# Allegro board buddy_lay_rev1.brd (continued)
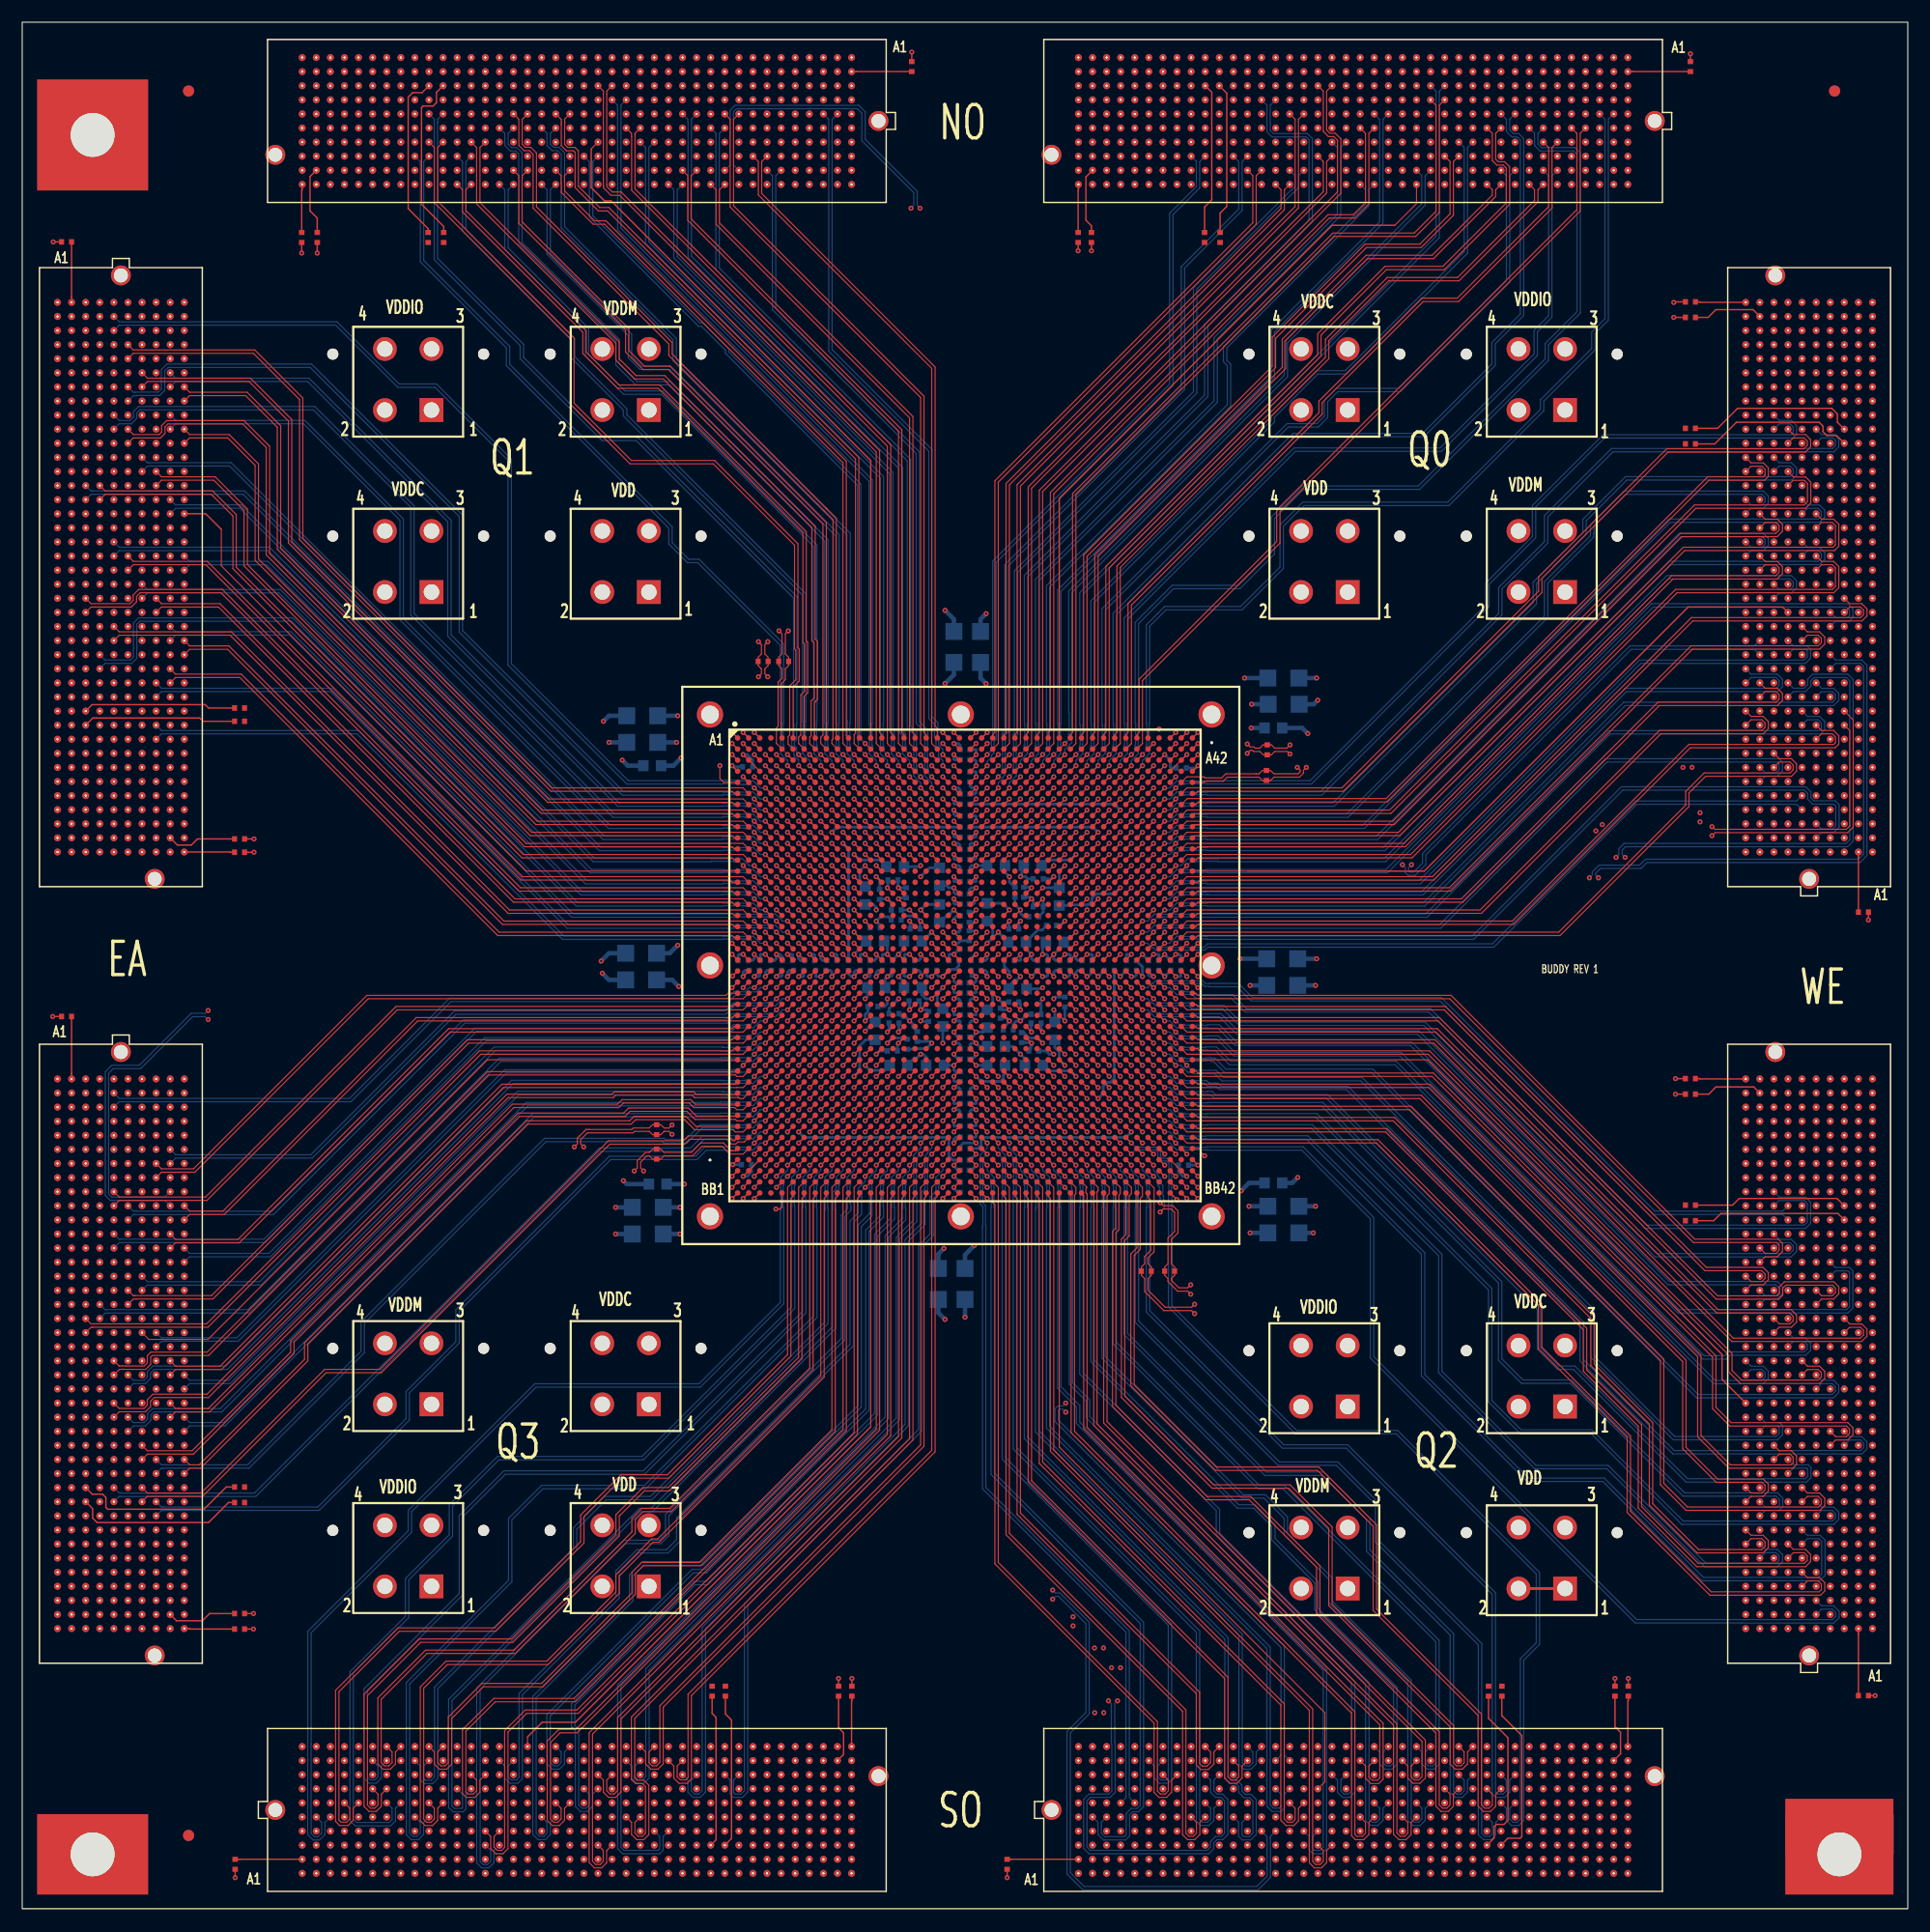
[diagram p0: board, top side]
## Routing (per net, layer and track width the routed paths; a pad name or vN(x,y) marks a point on that pad's centre or on a via; arc(x,y) is an arc through that point) (continued)
EA_P71: length 62.7
  TOP w0.127: U1.AD7 v1(70,82)
  SIGNAL_L12 w0.081: v1(70,82) 69.67,81.67 69.23,81.67 69.2,81.63 69.16,81.63 69.15,81.63 64.7,81.63 64.66,81.67 40.39,81.67 25.41,66.68 15.08,66.68 J7.K7
EA_P72: length 75.5
  TOP w0.127: U1.AD9 v1(72,82)
  SIGNAL_L3 w0.081: 5.72,63.34 6.18,62.89 9.72,62.89 10.02,63.18 10.02,63.67 10.48,64.13 15.33,64.13 32.88,81.68 64.57,81.68 64.62,81.63 65.15,81.63 65.16,81.64 65.84,81.64 65.85,81.63 66.15,81.63 66.16,81.64 66.84,81.64 66.85,81.63 67.15,81.63 67.16,81.64 67.84,81.64 67.85,81.63 68.15,81.63 68.16,81.64 68.84,81.64 68.85,81.63 69.15,81.63 69.16,81.64 69.84,81.64 69.85,81.63 70.15,81.63 70.16,81.64 70.84,81.64 70.85,81.63 71.15,81.63 71.16,81.64 71.18,81.64 71.21,81.67 71.67,81.67 v1(72,82)
EA_P73: length 89.2
  TOP w0.127: U1.AD11 v1(74,82)
  SIGNAL_L3 w0.081: v1(74,82) 74.33,82.33 74.33,82.54 74.37,82.58 74.37,83.15 74.15,83.37 63.38,83.37 63.35,83.33 62.8,83.33 62.54,83.07 61.16,83.07 60.76,83.47 8.99,83.47 5.27,79.75 5.27,65.69 5.54,65.43 6.65,65.43 J7.D8
EA_P74: length 63.6
  TOP w0.102: U1.AE1 64.2,81.5 64,81.3 33.7,81.3 16.53,64.13 8.75,64.13 8.27,64.61
EA_P75: length 66.9
  TOP w0.127: U1.AE5 v1(68,81)
  BOTTOM w0.102: v1(68,81) 67.68,80.68 67.22,80.68 67.16,80.62 64.51,80.62 64.48,80.65 64,80.65 63.45,80.1 39.77,80.1 22.52,62.85 10.3,62.85 10.29,62.86 10.02,62.86 J7.F10
EA_P76: length 67.1
  TOP w0.127: U1.AE7 v1(70,81)
  SIGNAL_L12 w0.081: v1(70,81) 69.67,80.67 69.23,80.67 69.2,80.63 69.16,80.63 69.15,80.63 64.7,80.63 64.66,80.67 41.32,80.67 24.8,64.14 11.27,64.14 10.8,64.61
EA_P77: length 68.4
  TOP w0.127: U1.AE9 v1(72,81)
  SIGNAL_L3 w0.081: v1(72,81) 71.67,80.67 71.36,80.67 71.31,80.63 69.15,80.63 69.15,80.63 68.53,80.63 68.53,80.63 64.54,80.63 64.5,80.68 33.56,80.68 15.75,62.86 12.81,62.86 12.8,62.87 12.54,62.87 J7.H10
EA_P78: length 88.1
  TOP w0.127: U1.AE11 v1(74,81)
  SIGNAL_L3 w0.081: v1(74,81) 73.61,81 73.24,81.37 73.24,81.72 73.37,81.85 73.37,82.26 73.26,82.37 63.23,82.37 63.19,82.34 21,82.34 19.04,80.37 17.01,80.37 v1(16.76,80.13)
  BOTTOM w0.102: 13.35,64.61 12.86,64.13 8.07,64.13 7.8,64.4 7.8,75.3 8.2,75.7 10.68,75.7 15.36,80.38 16.51,80.38 v1(16.76,80.13)
EA_P79: length 57.4
  TOP w0.102: U1.AF1 64.2,80.5 64,80.3 35.53,80.3 18.09,62.86 15.1,62.86 J7.K10
EA_P80: length 66.8
  TOP w0.127: U1.AF3 v1(66,80)
  BOTTOM w0.102: v1(66,80) 65.68,79.68 65.22,79.68 65.16,79.62 64.63,79.62 64.6,79.65 64.12,79.65 63.82,79.35 40.82,79.35 21.8,60.34 8.91,60.34 8.89,60.32 8.75,60.32 J7.E12
EA_P81: length 70.1
  TOP w0.127: U1.AF7 v1(70,80)
  SIGNAL_L12 w0.081: v1(70,80) 69.67,79.67 69.23,79.67 69.2,79.63 69.16,79.63 69.15,79.63 64.7,79.63 64.66,79.67 43.17,79.67 22.57,59.06 10,59.06 J7.F13
EA_P82: length 70.3
  TOP w0.127: U1.AF9 v1(72,80)
  SIGNAL_L3 w0.081: v1(72,80) 71.66,79.66 71.22,79.66 71.19,79.63 64.62,79.63 64.58,79.66 35.01,79.66 15.67,60.32 11.54,60.32 11.53,60.33 11.27,60.33 J7.G12
EA_P83: length 71.5
  TOP w0.127: U1.AF11 v1(74,80)
  SIGNAL_L5 w0.081: v1(74,80) 73.7,79.7 73.54,79.7 73.51,79.66 73.19,79.66 73.15,79.63 64.56,79.63 64.52,79.67 38.37,79.67 17.76,59.06 12.54,59.06 J7.H13
EA_P84: length 59.3
  TOP w0.102: J7.J12 13.84,60.31 19.45,60.31 38.44,79.3 64,79.3 64.2,79.5 U1.AG1
EA_P85: length 60.6
  TOP w0.127: U1.AG3 v1(66,79)
  BOTTOM w0.102: J7.K13 15.1,59.05 22.25,59.05 41.7,78.5 63.67,78.5 63.79,78.62 65.39,78.62 65.45,78.68 65.68,78.68 v1(66,79)
EA_P86: length 74
  TOP w0.127: U1.AG7 v1(70,79)
  SIGNAL_L12 w0.081: v1(70,79) 69.67,78.67 69.23,78.67 69.2,78.63 69.16,78.63 69.15,78.63 64.7,78.63 64.66,78.67 43.78,78.67 22.92,57.81 6.18,57.81 5.72,58.26
EA_P87: length 74.8
  TOP w0.127: U1.AG9 v1(72,79)
  SIGNAL_L3 w0.081: v1(72,79) 71.66,78.66 71.22,78.66 71.19,78.63 64.79,78.63 64.72,78.7 36.98,78.7 16.08,57.8 7.59,57.8 7.58,57.79 7.46,57.79 J7.D14
EA_P88: length 76
  TOP w0.127: U1.AG11 v1(74,79)
  SIGNAL_L10 w0.081: v1(74,79) 73.7,78.7 73.48,78.7 73.41,78.63 64.66,78.63 64.62,78.66 39.96,78.66 17.81,56.51 9,56.51 8.99,56.52 8.73,56.52 J7.E15
EA_P89: length 64.8
  TOP w0.102: U1.AH1 64.2,78.5 64,78.3 40.12,78.3 17.07,55.25 10.17,55.25 10.16,55.24 10.02,55.24 J7.F16
EA_P90: length 65
  TOP w0.127: U1.AH3 v1(66,78)
  BOTTOM w0.102: v1(66,78) 65.68,77.68 65.22,77.68 65.16,77.62 63.29,77.62 63.17,77.62 63.13,77.65 42.55,77.65 21.4,56.5 11.3,56.5 J7.G15
EA_P91: length 66.3
  TOP w0.127: U1.AH5 v1(68,78)
  SIGNAL_L12 w0.081: v1(68,78) 67.67,77.67 67.23,77.67 67.2,77.63 67.16,77.63 67.15,77.63 62.7,77.63 62.66,77.67 44.39,77.67 21.98,55.25 12.8,55.25 12.8,55.25 12.54,55.25 J7.H16
EA_P92: length 68.5
  TOP w0.127: U1.AH9 v1(72,78)
  SIGNAL_L3 w0.081: J7.J15 13.81,56.52 16.62,56.52 37.76,77.66 64.5,77.66 64.54,77.63 71.19,77.63 71.22,77.66 71.66,77.66 v1(72,78)
EA_P93: length 69.7
  TOP w0.127: U1.AH11 v1(74,78)
  SIGNAL_L5 w0.081: J7.K16 15.08,55.25 17.85,55.25 40.27,77.67 64.52,77.67 64.56,77.63 73.15,77.63 73.19,77.66 73.51,77.66 73.54,77.7 73.7,77.7 v1(74,78)
EA_P94: length 69.2
  TOP w0.102: U1.AJ1 64.2,77.5 64,77.3 41.22,77.3 16.62,52.7 6.48,52.7 6.48,52.7 6.21,52.7 5.72,53.18
EA_P95: length 69.5
  TOP w0.127: U1.AJ3 v1(66,77)
  BOTTOM w0.102: v1(66,77) 65.68,76.68 65.64,76.68 65.64,76.69 65.48,76.69 65.42,76.75 65.35,76.69 63.42,76.69 63.04,76.69 63.01,76.65 43.02,76.65 20.35,53.99 7.64,53.99 7.62,53.97 7.48,53.97 J7.D17
EA_P96: length 71.1
  TOP w0.127: U1.AJ5 v1(68,77)
  SIGNAL_L12 w0.081: J7.E18 8.75,52.7 9.21,52.7 9.21,52.7 9.7,52.7 9.99,52.99 9.99,53.49 10.5,54 22.05,54 44.72,76.67 62.52,76.67 62.56,76.7 64.77,76.7 64.85,76.63 67.15,76.63 67.16,76.63 67.2,76.63 67.23,76.67 67.67,76.67 v1(68,77)
EA_P97: length 75.3
  TOP w0.127: U1.AJ10 v1(73,77)
  SIGNAL_L3 w0.081: v1(73,77) 72.66,76.66 72.22,76.66 72.19,76.63 64.43,76.63 64.41,76.64 64.38,76.64 64.34,76.61 64.23,76.61 64.18,76.66 39.19,76.66 15.23,52.7 13.02,52.7 12.56,52.24 12.56,51.75 12.25,51.44 10,51.44 J7.F19
EA_P98: length 75.3
  TOP w0.127: U1.AJ12 v1(75,77)
  SIGNAL_L10 w0.081: v1(75,77) 74.52,77 74.02,76.5 59.5,76.5
  SIGNAL_L10 w0.083: J7.G18 11.44,52.55 16.2,52.55 40.15,76.5 59.5,76.5
EA_P99: length 64
  TOP w0.102: U1.AK2 v1(65,76)
  BOTTOM w0.102: J7.H19 12.56,51.43 12.7,51.43 12.72,51.45 13.15,51.45 13.15,51.45 13.54,51.45 13.54,51.45 14.42,51.45 14.42,51.45 19.35,51.45 43.5,75.6 64.6,75.6 v1(65,76)
EA_P100: length 64.2
  TOP w0.127: U1.AK4 v1(67,76)
  SIGNAL_L12 w0.081: J7.J18 13.83,52.7 22.05,52.7 45.01,75.66 64.37,75.66 64.41,75.63 66.27,75.63 66.31,75.67 66.67,75.67 v1(67,76)
EA_P101: length 65.5
  TOP w0.127: U1.AK6 v1(69,76)
  SIGNAL_L3 w0.081: J7.K19 15.08,51.44 16.24,51.44 38.32,73.52 40.46,75.66 61.57,75.66 61.61,75.63 68.19,75.63 68.22,75.66 68.66,75.66 v1(69,76)
EA_P102: length 78
  TOP w0.127: U1.AK8 v1(71,76)
  SIGNAL_L10 w0.081: 5.72,48.1 6.19,47.63 15.43,47.63 43.46,75.66 64.57,75.66 64.61,75.63 70.63,75.63 v1(71,76)
EA_P103: length 78.6
  TOP w0.127: U1.AK11 v1(74,76)
  SIGNAL_L5 w0.081: J7.D20 7.46,50.17 18.56,50.17 44.05,75.67 64.52,75.67 64.56,75.63 73.15,75.63 73.19,75.66 73.51,75.66 73.54,75.7 73.7,75.7 v1(74,76)
EA_P104: length 67.8
  TOP w0.102: U1.AL1 64.43,75.43 41.95,75.43 16.67,50.15 11.6,50.15 11.28,49.84 11.28,49.19 11,48.91 9.34,48.91 9.33,48.91 8.99,48.91 8.75,48.9 8.74,48.9 J7.E21
EA_P105: length 69.1
  TOP w0.127: U1.AL3 v1(66,75)
  BOTTOM w0.102: v1(66,75) 65.68,74.68 65.22,74.68 65.16,74.62 63.17,74.62 63.14,74.65 63.11,74.62 62.96,74.62 62.93,74.65 44.12,74.65 18.37,48.9 11.78,48.9 11.27,48.4 11.27,47.91 10.98,47.62 10.02,47.62 J7.F22
EA_P106: length 68.9
  TOP w0.127: U1.AL5 v1(68,75)
  SIGNAL_L12 w0.081: v1(68,75) 67.67,74.67 67.23,74.67 67.2,74.63 67.16,74.63 67.15,74.63 62.8,74.63 62.76,74.67 45.5,74.67 19.73,48.9 11.53,48.9 11.53,48.9 11.27,48.9 J7.G21
EA_P107: length 70.2
  TOP w0.127: U1.AL7 v1(70,75)
  SIGNAL_L3 w0.081: v1(70,75) 69.66,74.66 69.22,74.66 69.19,74.63 62.58,74.63 62.55,74.66 62.49,74.61 62.38,74.61 62.32,74.66 42.6,74.66 15.56,47.63 12.55,47.63 J7.H22
EA_P108: length 62
  TOP w0.102: J7.J21 13.83,48.89 17.84,48.89 43.25,74.3 64.3,74.3 U1.AM1
EA_P109: length 63.2
  TOP w0.127: U1.AM3 v1(66,74)
  BOTTOM w0.102: J7.K22 15.1,47.62 18.62,47.62 44.65,73.65 63.13,73.65 63.17,73.62 65.16,73.62 65.22,73.68 65.68,73.68 v1(66,74)
EA_P110: length 78.1
  TOP w0.127: U1.AM5 v1(68,74)
  SIGNAL_L12 w0.081: 5.72,43.02 6.19,42.55 9.74,42.55 10.02,42.83 10.02,45.89 10.48,46.35 18.69,46.35 46,73.67 59.66,73.67 59.73,73.59 62.55,73.59 62.59,73.63 67.15,73.63 67.16,73.63 67.2,73.63 67.23,73.67 67.67,73.67 v1(68,74)
EA_P111: length 78.9
  TOP w0.127: U1.AM7 v1(70,74)
  SIGNAL_L3 w0.081: v1(70,74) 69.66,73.66 69.22,73.66 69.19,73.63 62.58,73.63 62.54,73.66 43.4,73.66 22.9,53.17 22.9,51.62 16.37,45.08 10.48,45.08 10.02,44.62 10.02,42.86 9.71,42.55 7.46,42.55 J7.D26
EA_P112: length 68.7
  TOP w0.102: J7.E24 8.75,45.08 10.98,45.08 11.27,45.37 11.27,45.86 11.78,46.37 16.67,46.37 43.7,73.4 53.17,73.4 53.37,73.6 60.54,73.6 60.74,73.4 64.4,73.4 U1.AN1
EA_P113: length 69.8
  TOP w0.127: U1.AN3 v1(66,73)
  BOTTOM w0.102: v1(66,73) 65.68,72.68 65.58,72.68 65.57,72.69 63.35,72.69 62.97,72.69 62.94,72.65 45.45,72.65 17.87,45.07 11.75,45.07 11.3,44.61 11.3,44.13 10.98,43.81 10.02,43.81 J7.F25
EA_P114: length 69.8
  TOP w0.127: U1.AN5 v1(68,73)
  SIGNAL_L12 w0.081: v1(68,73) 67.67,72.67 67.23,72.67 67.2,72.63 67.16,72.63 67.15,72.63 62.7,72.63 62.66,72.67 46.8,72.67 44.67,70.54 44.67,70.29 19.48,45.09 11.27,45.09 J7.G24
EA_P115: length 74
  TOP w0.127: U1.AN7 v1(70,73)
  SIGNAL_L3 w0.081: J7.H25 12.54,43.82 20.36,43.82 23.75,47.22 23.75,52.49 43.93,72.66 62.54,72.66 62.58,72.63 69.19,72.63 69.22,72.66 69.66,72.66 v1(70,73)
EA_P116: length 63.1
  TOP w0.102: J7.J24 13.83,45.08 14.1,45.08 14.1,45.07 16.78,45.07 44.2,72.5 53.67,72.5 54.07,72.9 60.27,72.9 60.68,72.5 U1.AP1
EA_P117: length 64
  TOP w0.127: U1.AP3 v1(66,72)
  BOTTOM w0.102: J7.K25 15.1,43.81 18.18,43.81 46.02,71.65 62.94,71.65 62.97,71.69 63.35,71.69 65.57,71.69 65.58,71.68 65.68,71.68 v1(66,72)
EA_P118: length 77.3
  TOP w0.127: U1.AP5 v1(68,72)
  SIGNAL_L3 w0.081: v1(68,72) 67.66,71.66 67.22,71.66 67.19,71.63 60.46,71.63 60.42,71.66 44.05,71.66 24.9,52.52 24.9,46.62 20.85,42.57 12.8,42.57 12.53,42.3 12.53,41.56 12.26,41.3 8.86,41.3 8.85,41.28 8.73,41.28 J7.E27
EA_P119: length 77.4
  TOP w0.127: U1.AP7 v1(70,72)
  SIGNAL_L12 w0.081: J7.F28 10,40.01 21.45,40.01 30.52,49.09 30.52,53.79 48.4,71.67 64.61,71.67 64.65,71.63 69.15,71.63 69.16,71.63 69.2,71.63 69.23,71.67 69.67,71.67 v1(70,72)
EA_P120: length 67.6
  TOP w0.102: U1.AR1 64.43,71.43 60.78,71.43 60.06,72.15 54.67,72.15 54.22,71.7 44.72,71.7 24.2,51.18 24.2,50.15 15.32,41.27 11.29,41.27 J7.G27
EA_P121: length 69.4
  TOP w0.127: U1.AR3 v1(66,71)
  BOTTOM w0.102: J7.H28 12.56,40 12.83,40 12.83,40 20.32,40 30.55,50.23 30.55,52.88 47.09,69.42 57.87,69.42 57.99,69.3 59.81,69.3 61.16,70.65 64.62,70.65 64.65,70.62 65.16,70.62 65.21,70.67 65.67,70.67 v1(66,71)
EA_P122: length 71.3
  TOP w0.127: U1.AR5 v1(68,71)
  SIGNAL_L3 w0.081: J7.J27 13.81,41.28 21.17,41.28 25.85,45.97 25.85,51.72 43.48,69.35 58.7,69.35 60.01,70.66 60.57,70.66 60.61,70.63 67.19,70.63 67.22,70.66 67.66,70.66 v1(68,71)
EA_P123: length 64.3
  TOP w0.102: J7.K28 15.1,40 15.95,40 25.45,49.5 25.45,50.98 45.47,71 54.77,71 55.17,71.4 59.85,71.4 60.75,70.5 U1.AT1
EA_P124: length 72.2
  TOP w0.127: U1.AT3 v1(66,70)
  BOTTOM w0.102: v1(66,70) 65.68,69.68 65.54,69.68 65.48,69.68 65.42,69.62 65.4,69.62 64.47,69.62 64.43,69.65 61.35,69.65 60.25,68.55 52.03,68.55 20.93,37.45 9.03,37.45 9.02,37.46 8.75,37.46 J7.E30
EA_P125: length 76.4
  TOP w0.127: U1.AT5 v1(68,70)
  SIGNAL_L3 w0.081: J7.F31 10,36.2 10.26,36.2 10.27,36.19 19.53,36.19 30.32,46.99 30.32,52.04 45.68,67.4 57.95,67.4 60.21,69.66 60.54,69.66 60.58,69.63 67.19,69.63 67.22,69.66 67.66,69.66 v1(68,70)
EA_P126: length 67.5
  TOP w0.102: J7.G30 11.29,37.46 16.13,37.46 27.27,48.6 32.25,48.6 52.85,69.2 59.6,69.2 60.04,69.64 63.64,69.64 64.07,69.21 64.21,69.21 U1.AU1
EA_P127: length 71.6
  TOP w0.127: U1.AU3 v1(66,69)
  BOTTOM w0.102: J7.H31 12.56,36.19 12.7,36.19 12.71,36.2 26.65,36.2 34.6,44.15 34.6,46.6 39.1,51.1 39.1,53.98 52.93,67.81 60.71,67.81 61.55,68.65 64.56,68.65 64.59,68.62 65.29,68.62 65.33,68.65 65.65,68.65 v1(66,69)
EA_VADJ0: length 9.4
  TOP w0.127: R88.2 v1(20.9,95.2) ; R103.2 v1(20.9,96.4)
  PWR_L7 w0.254: 12.07,94.75 J8.H40 ; J8.H40 12.07,95.7 ; J8.H40 12.55,95.23 ; J8.H40 11.6,95.23 ; 10.33,96.5 J8.G39 ; J8.G39 10.8,96.02 ; J8.G39 11.28,96.5 ; J8.G39 10.8,96.97 ; J8.E39 8.27,96.97 ; J8.E39 7.79,96.5 ; J8.E39 8.27,96.02 ; J8.E39 8.74,96.5 ; 9.54,95.23 10.01,95.23 ; 9.54,95.23 9.54,94.75 ; 9.54,95.23 9.06,95.23 ; 9.54,95.23 9.54,95.7
EA_VADJ1: length 9.3
  TOP w0.127: R105.2 v1(20.85,26.6) ; R106.2 v1(20.85,25.2)
  PWR_L7 w0.254: J7.E39 8.27,26.99 ; J7.E39 7.79,26.51 ; J7.E39 8.27,26.04 ; J7.E39 8.74,26.51 ; 11.6,25.24 J7.H40 ; J7.H40 12.07,24.77 ; J7.H40 12.55,25.24 ; J7.H40 12.07,25.72 ; 10.33,26.51 J7.G39 ; J7.G39 11.28,26.51 ; J7.G39 10.8,26.04 ; J7.G39 10.8,26.99 ; 9.54,25.24 10.01,25.24 ; 9.54,25.24 9.54,24.77 ; 9.54,25.24 9.06,25.24 ; 9.54,25.24 9.54,25.72
N9431327_EA: length 6.3
  TOP w0.127: J8.J39 13.99,95.85 15.25,95.85 15.8,96.4 R103.1
N9431327_EA1: length 6.3
  TOP w0.127: J7.J39 13.91,25.95 16.25,25.95 16.9,26.6 R105.1
N9431327_EA2: length 6.2
  TOP w0.127: J6.J39 74.05,13.89 74.05,15.85 73.6,16.3 R120.1
N9431327_EA3: length 6.3
  TOP w0.127: J5.J39 144.1,13.96 144.1,15.9 143.6,16.4 R125.1
N9431327_EA4: length 6.3
  TOP w0.127: R135.1 152.05,73.4 152.7,74.05 156.11,74.05 J4.J39
N9431327_EA5: length 6.3
  TOP w0.127: R130.1 152,143.4 152.7,144.1 156.04,144.1 J3.J39
N9431327_EA6: length 6.1
  TOP w0.127: R115.1 96.4,151.65 95.9,152.15 95.9,156.06 J2.J39
N9431327_EA7: length 6.1
  TOP w0.127: J1.J39 25.95,156.09 25.95,153 26.6,152.35 R110.1
N9447658_EA: length 4.5
  TOP w0.127: R88.1 18.76,95.2 18.73,95.23 14.62,95.23
N9447658_EA1: length 4.6
  TOP w0.127: 14.62,25.24 15.1,25.24 15.14,25.2 R106.1
N9447658_EA2: length 4.5
  TOP w0.127: 74.77,14.62 74.77,18.73 74.8,18.76 R121.1
N9447658_EA3: length 4.6
  TOP w0.127: R126.1 144.8,18.76 144.76,18.71 144.76,14.62
N9447658_EA4: length 4.5
  TOP w0.127: J4.K40 151.27,74.77 151.24,74.8 R136.1
N9447658_EA5: length 4.6
  TOP w0.127: J3.K40 151.29,144.76 151.24,144.8 R131.1
N9447658_EA6: length 4.3
  TOP w0.127: R116.1 95.2,154.88 95.23,154.9 J2.K40
N9447658_EA7: length 4.4
  TOP w0.127: J1.K40 25.24,154.9 25.2,154.86 R111.1
N9469065_EA: length 5.4
  TOP w0.127: R102.1 4.45,145.24 4.46,145.24 J8.B1
N9469065_EA1: length 5.6
  TOP w0.127: R104.1 4.45,75.26 4.46,75.26 J7.B1
N9469065_EA2: length 6
  TOP w0.127: J6.B1 19.62,4.46 19.61,4.45 R119.1
N9469065_EA3: length 6.4
  TOP w0.127: J5.B1 89.22,4.46 89.21,4.45 R124.1
N9469065_EA4: length 6
  TOP w0.127: R134.1 165.55,24.76 165.54,24.76 J4.B1
N9469065_EA5: length 5.4
  TOP w0.127: J3.B1 165.54,94.74 165.55,94.74 R129.1
N9469065_EA6: length 5.6
  TOP w0.127: R114.1 145.24,165.55 145.24,165.54 J2.B1
N9469065_EA7: length 5.4
  TOP w0.127: J1.B1 75.26,165.54 75.26,165.55 R109.1
N9472109_EA: length 13.8
  TOP w0.127: 5.72,107.93 6.3,108.5 16.5,108.5 16.8,108.2 R101.1
N9472109_EA1: length 15.6
  TOP w0.127: 5.72,37.94 6.32,37.35 7.25,37.35 7.55,37.05 7.55,36.15 7.7,36 16.4,36 18.4,38 R107.1
N9472109_EA2: length 13.8
  TOP w0.127: R122.1 62.2,17.6 62.56,17.24 62.56,6.21 J6.C30
N9472109_EA3: length 15.3
  TOP w0.127: J5.C30 132.7,6.37 132.7,7.4 132.9,7.6 133.6,7.6 133.95,7.95 133.95,15.4 132.2,17.15 R127.1
N9472109_EA4: length 13.9
  TOP w0.127: R137.1 152.5,62 153.15,62.65 163.7,62.65 J4.C30
N9472109_EA5: length 15.3
  TOP w0.127: J3.C30 163.58,132.75 162.7,132.75 162.35,133.1 162.35,133.6 162,133.95 154.55,133.95 152.6,132 R132.1
N9472109_EA6: length 13.8
  TOP w0.127: J2.C30 108.6,163.6 108.6,153.4 108,152.8 R117.1
N9472109_EA7: length 15.4
  TOP w0.127: R112.1 38,151.6 36,153.6 36,162.3 36.15,162.45 37.05,162.45 37.35,162.75 37.35,163.68 J1.C30
N9472251_EA: length 13.8
  TOP w0.127: 5.72,106.66 6.37,107.3 16,107.3 16.3,107 R90.1
N9472251_EA1: length 15.4
  TOP w0.127: R108.1 18.6,36.6 16.8,34.8 6.75,34.8 6.35,35.2 6.35,36.05 5.72,36.67
N9472251_EA2: length 13.9
  TOP w0.127: R123.1 63.4,17.55 63.95,17 63.95,6.33 J6.C31
N9472251_EA3: length 15.6
  TOP w0.127: R128.1 133.4,17.4 135.2,15.6 135.2,6.5 135.05,6.35 133.95,6.35 J5.C31
N9472251_EA4: length 13.9
  TOP w0.127: R138.1 154.2,63.4 154.8,64 163.62,64 J4.C31
N9472251_EA5: length 15.4
  TOP w0.127: J3.C31 163.65,133.95 163.65,134.7 163.15,135.2 154.65,135.2 152.85,133.4 R133.1
N9472251_EA6: length 13.7
  TOP w0.127: R118.1 106.6,153.35 107.25,154 107.25,163.68 J2.C31
N9472251_EA7: length 15.2
  TOP w0.127: J1.C31 36.05,163.65 35.2,163.65 34.8,163.25 34.8,153.2 36.6,151.4 R113.1
NO_3P3V: length 16.9
  TOP w0.127: R114.2 v1(150.4,167.15) ; R109.2 v1(80.2,167.3)
  PWR_L8 w0.254: 99.83,163 J2.D36 ; J2.D36 100.78,163 ; J2.D36 100.31,163.48 ; J2.D36 100.31,162.53 ; 25.24,162.53 J1.D40 ; J1.D40 25.72,163 ; J1.D40 24.77,163 ; J1.D40 25.24,163.48 ; J1.C39 26.99,164.28 ; J1.C39 26.04,164.28 ; J1.C39 26.51,163.8 ; J1.C39 26.51,164.75 ; 95.23,162.53 J2.D40 ; J2.D40 94.75,163 ; J2.D40 95.7,163 ; J2.D40 95.23,163.48 ; J2.D38 97.77,163.48 ; J2.D38 97.29,163 ; J2.D38 98.24,163 ; J2.D38 97.77,162.53 ; 27.78,162.53 J1.D38 ; J1.D38 27.31,163 ; J1.D38 27.78,163.48 ; J1.D38 28.26,163 ; J2.C39 96.5,164.75 ; J2.C39 96.02,164.28 ; J2.C39 96.5,163.8 ; J2.C39 96.97,164.28 ; J1.D36 30.8,163 ; J1.D36 29.85,163 ; J1.D36 30.32,163.48 ; J1.D36 30.32,162.53
NO_12P0V: length 7.7
  PWR_L7 w0.254: 101.1,164.28 J2.C35 ; J2.C35 102.05,164.28 ; J2.C35 101.58,164.75 ; J2.C35 101.58,163.8 ; 28.58,164.28 J1.C37 ; J1.C37 29.53,164.28 ; J1.C37 29.05,164.75 ; J1.C37 29.05,163.8 ; J1.C35 31.59,164.75 ; J1.C35 32.07,164.28 ; J1.C35 31.59,163.8 ; J1.C35 31.12,164.28 ; J2.C37 99.51,164.28 ; J2.C37 99.04,163.8 ; J2.C37 99.04,164.75 ; J2.C37 98.56,164.28
NO_CTRL0: length 185.3
  TOP w0.127: U1.D38 v1(102,103)
  SIGNAL_L5 w0.081: 101.95,110.5 101.95,108.85 100.45,107.35 100.45,103.9 100.85,103.5 101.5,103.5 v1(102,103)
  SIGNAL_L5 w0.083: J1.J30 37.3,157.3 37.3,166.9 37.67,167.27 76.13,167.27 76.53,166.87 84.77,166.87 85.17,167.27 127.17,167.27 127.48,166.96 127.48,134.93 125.35,132.8 113.2,132.8 101.95,121.55 101.95,110.5
NO_CTRL1: length 187.6
  TOP w0.127: U1.C38 v1(102,104)
  SIGNAL_L5 w0.081: v1(102,104) 101.53,104.47 101.53,107.67 102.95,109.1 102.95,110.5
  SIGNAL_L5 w0.083: 102.95,110.5 102.95,121.81 113.34,132.2 125.65,132.2 127.94,134.49 127.94,153.64 128.8,154.5 128.8,166.91 127.97,167.74 36.84,167.74 36,166.9 36,156.06 J1.K31
NO_CTRL2: length 183.7
  TOP w0.127: U1.B38 v1(102,105)
  SIGNAL_L5 w0.081: 103.9,110.5 103.9,109.3 102,107.4 v1(102,105)
  SIGNAL_L5 w0.083: 103.9,110.5 103.9,122.1 110.3,128.5 123.1,128.5 128.4,133.8 128.4,134.29 128.4,134.3 128.4,151.95 130.15,153.7 130.15,166.97 128.92,168.2 36.14,168.2 34.85,166.91 34.85,162.45 34.13,161.74
NO_CTRL3: length 188.5
  TOP w0.102: U1.A38 101.5,106.15 101.65,106.3 v1(102.5,106.3)
  SIGNAL_L5 w0.081: 104.36,110.5 104.36,108.16 v1(102.5,106.3)
  SIGNAL_L5 w0.083: 104.36,110.5 104.36,111.61 104.45,111.7 104.45,121.9 110.4,127.85 123.3,127.85 132.05,136.6 132.05,142.39 131.46,142.98 131.46,166.79 129.59,168.66 35.11,168.66 33.55,167.1 33.55,161.15 J1.F34
NO_HS_C2M_N0: length 100
  TOP w0.102: v1(69.07,115.15) 68.8,114.88 68.8,113.07 69.1,112.77 R93.1 69.1,112.03 68.8,111.73 68.8,110.75 68.45,110.4 68.45,105.55 U1.A5
  SIGNAL_L10 w0.081: v1(69.07,115.15) 68.82,115.4 68.82,128.7 58.78,138.74 58.78,140.74 46.35,153.16 46.35,164.44 46.64,164.73 58.45,164.73 58.72,164.46 58.72,163.95 59.21,163.46 70,163.46 70.48,163.95 70.48,165.71 70.79,166.02 72.41,166.02 72.69,165.73 72.69,164.73 J1.C3
NO_HS_C2M_P0: length 102.4
  TOP w0.102: v1(68.23,115.15) 68.5,114.88 68.5,113.07 68.2,112.77 R93.2 68.2,112.03 68.5,111.73 68.5,110.88 68.15,110.53 68.15,106.55 68,106.4 68,105 U1.B5
  SIGNAL_L10 w0.081: v1(68.23,115.15) 68.48,115.4 68.48,128.57 58.45,138.6 58.45,140.6 46.02,153.03 46.02,164.58 46.51,165.06 58.59,165.06 59.05,164.6 59.05,164.09 59.34,163.79 69.86,163.79 70.15,164.09 70.15,165.85 70.65,166.35 72.54,166.35 73.02,165.87 73.02,164.76 J1.C2
NO_HS_M2C_N0: length 102
  TOP w0.102: v1(67.22,111.02) 66.95,111.28 66.95,111.59 66.95,111.73 67.25,112.03 R94.1 67.25,112.77 66.95,113.07 66.95,113.9 v1(67.22,114.17)
  TOP w0.127: U1.C5 v1(68,104)
  SIGNAL_L10 w0.081: v1(68,104) 68.33,103.67 68.59,103.67 68.63,103.63 69.05,103.63 69.05,103.63 69.15,103.63 69.37,103.85 69.37,103.95 69.37,103.95 69.37,107.59 69.34,107.63 69.34,110.9 68.16,112.07 67.22,112.07 66.97,111.81 66.97,111.27 v1(67.22,111.02) ; J1.C7 67.62,164.74 67.62,165.78 67.4,166 45.37,166 45.08,165.71 45.08,151.67 54.4,142.35 54.4,140.75 66.97,128.18 66.97,114.43 v1(67.22,114.17)
NO_HS_M2C_P0: length 104.7
  TOP w0.102: v1(66.38,111.02) 66.65,111.28 66.65,111.73 66.35,112.03 R94.2 66.35,112.77 66.65,113.07 66.65,113.9 v1(66.38,114.17)
  TOP w0.127: U1.D5 v1(68,103)
  SIGNAL_L10 w0.081: v1(66.38,114.17) 66.63,114.43 66.63,128.05 54.07,140.61 54.07,142.21 44.75,151.53 44.75,165.85 45.24,166.33 67.53,166.33 67.95,165.91 67.95,164.74 J1.C6 ; v1(66.38,111.02) 66.63,111.27 66.63,111.95 67.08,112.4 68.3,112.4 69.67,111.03 69.67,107.63 69.63,107.59 69.63,103.74 69.26,103.37 68.63,103.37 68.59,103.33 68.33,103.33 v1(68,103)
NO_N0: length 87.6
  TOP w0.127: U1.C37 v1(101,104)
  BOTTOM w0.102: v1(101,104) 101.32,104.32 101.32,104.78 101.38,104.84 101.38,106.8 101.35,106.83 101.35,115.7 103,117.35 109.85,117.35 113.4,120.9 113.4,124.7 115.45,126.75 128.52,126.75 136.88,135.11 136.88,135.97 141.5,140.6 141.5,142.08 142.7,143.28 142.7,161.11 142.7,161.11 142.7,161.25 142.22,161.74
NO_N1: length 71.6
  TOP w0.102: U1.A37 100.5,105.8 100.7,106 100.7,110.8 113.1,123.2 113.1,126.05 140.16,153.11 140.16,159.98 J2.F5
NO_N2: length 85.4
  TOP w0.127: U1.E36 v1(100,102)
  SIGNAL_L12 w0.081: v1(100,102) 100.33,102.33 100.33,102.77 100.37,102.8 100.37,102.84 100.37,102.85 100.37,107.35 100.33,107.39 100.33,119.1 108.26,127.03 123.81,127.03 136.57,139.79 136.57,142.99 137.62,144.03 137.62,161.25 137.14,161.74
NO_N3: length 87
  TOP w0.127: U1.C36 v1(100,104)
  BOTTOM w0.102: v1(100,104) 100.32,104.32 100.32,104.78 100.38,104.84 100.38,106.8 100.35,106.83 100.35,115.93 103.67,119.25 109.65,119.25 112.6,122.2 112.6,125.4 115.4,128.2 125.85,128.2 137.3,139.65 137.3,141.05 140.17,143.92 140.17,158.09 139.87,158.39 136.84,158.39 136.35,158.89 136.35,159.98 J2.F8
NO_N4: length 71.6
  TOP w0.102: J2.G7 137.62,158.71 137.62,153.38 129.37,145.13 126.18,145.13 116.9,135.85 116.9,134.8 99.7,117.6 99.7,106 99.5,105.8 U1.A36
NO_N5: length 75.2
  TOP w0.127: U1.E35 v1(99,102)
  SIGNAL_L3 w0.081: v1(99,102) 99.34,102.34 99.34,102.78 99.37,102.81 99.37,109.13 99.26,109.25 99.26,109.55 99.34,109.63 99.34,115.19 107.97,123.82 107.97,124.27 115.88,132.18 120.61,132.18 127.82,139.39 127.82,142.47 136.34,150.99 136.34,157.46 J2.H8
NO_N6: length 77.3
  TOP w0.127: U1.C35 v1(99,104)
  BOTTOM w0.102: J2.J7 137.62,156.17 137.62,156.03 137.62,156.03 137.62,143.55 136.3,142.23 136.3,140.1 127.83,131.63 114.67,131.63 99.35,116.32 99.35,106.83 99.38,106.8 99.38,104.84 99.32,104.78 99.32,104.32 v1(99,104)
NO_N7: length 69.5
  TOP w0.102: J2.K8 136.35,154.9 136.35,153.94 129.41,147 123.07,147 117.5,141.43 117.5,139.8 98.7,121 98.7,106 98.5,105.8 U1.A35
NO_N8: length 85.2
  TOP w0.127: U1.G34 v1(98,100)
  SIGNAL_L3 w0.081: v1(98,100) 98.34,100.34 98.34,100.78 98.37,100.81 98.37,107.51 98.34,107.54 98.34,115.75 115.61,133.03 120.01,133.03 126.3,139.32 126.3,143.57 135.08,152.34 135.08,160.66 134.81,160.92 133.02,160.92 132.53,161.42 132.53,163.81 J2.C11
NO_N9: length 86.9
  TOP w0.127: U1.E34 v1(98,102)
  SIGNAL_L12 w0.081: v1(98,102) 98.33,102.33 98.33,102.77 98.37,102.8 98.37,102.84 98.37,102.85 98.37,107.35 98.33,107.39 98.33,119.95 107.11,128.73 123.61,128.73 133.33,138.45 133.33,150.3 135.05,152.02 135.05,162.55 J2.D9
NO_N10: length 81.7
  TOP w0.127: U1.C34 v1(98,104)
  BOTTOM w0.102: 133.33,161.74 133.81,161.25 133.81,160.16 134.3,159.66 134.79,159.66 135.06,159.39 135.06,143.7 132.5,141.13 132.5,139.2 126.25,132.95 114.57,132.95 98.35,116.73 98.35,106.83 98.38,106.8 98.38,104.84 98.32,104.78 98.32,104.32 v1(98,104)
NO_N11: length 74.1
  TOP w0.102: U1.A34 97.5,105.8 97.7,106 97.7,120.96 116.8,140.06 116.8,141.94 122.86,148 128.08,148 133.79,153.72 133.79,156.85 133.52,157.12 132.95,157.12 132.54,157.53 132.54,159.98 J2.F11
NO_N12: length 76.5
  TOP w0.127: U1.G33 v1(97,100)
  SIGNAL_L3 w0.081: J2.G10 133.8,158.73 133.8,153.1 121.5,140.8 121.5,140.1 117,135.6 117,135.03 115.8,133.83 113.87,133.83 97.34,117.3 97.34,107.54 97.37,107.5 97.37,100.81 97.34,100.78 97.34,100.34 v1(97,100)
NO_N13: length 82.5
  TOP w0.127: U1.E33 v1(97,102)
  SIGNAL_L12 w0.081: v1(97,102) 97.33,102.33 97.33,102.77 97.37,102.8 97.37,102.84 97.37,102.85 97.37,107.3 97.33,107.34 97.33,122.97 104.73,130.37 123.4,130.37 132.51,139.48 132.51,157.47 J2.H11